# Altium PCB 3 motors 1 board.PcbDoc (continued)
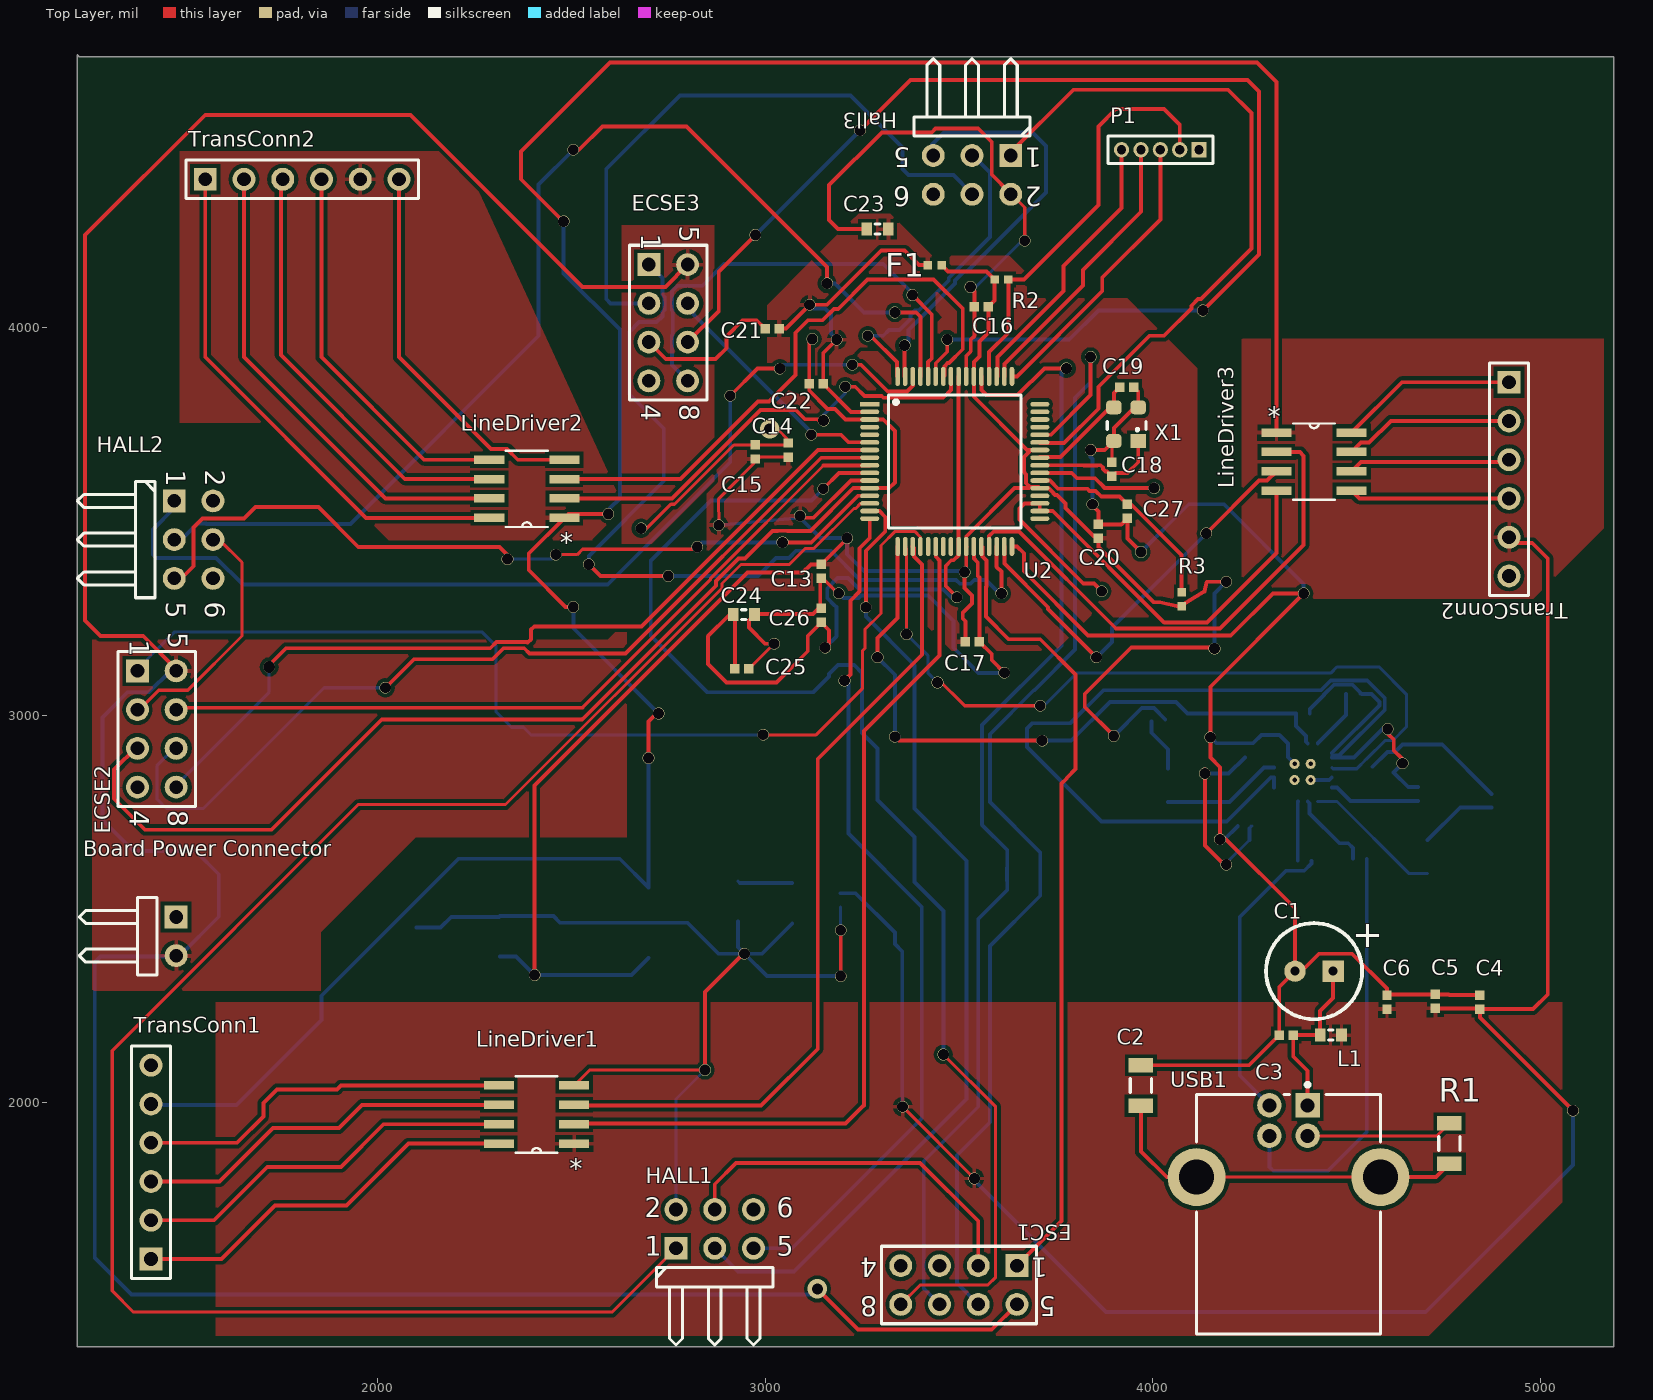
[diagram p0: Top Layer view]
## Part data (continued)
D1 D2: library part "TOPLED 0803", "LED TOPLED 630NM SUP RED CLR SMD", Color=Red, Current - Test=2mA, Luminous Flux @ Current - Test="25 mlm", Manufacturer="OSRAM Opto Semiconductors Inc", Manufacturer Part Number="LS M67K-H2L1-1-Z", Millicandela Rating=8.78mcd, Package / Case="2-SMD, J-Lead", Supplier Part Number 1=475-2510-1-ND, Voltage - Forward (Vf) (Typ)=1.8V, Category=Optoelectronics, ComponentLink1Description=http://media.digikey.com/pdf/Data%20Sheets/Osram%20PDFs/LS,LO,LY_M67K.pdf, ComponentLink1URL=http://media.digikey.com/pdf/Data%20Sheets/Osram%20PDFs/LS,LO,LY_M67K.pdf, Height=1.30mm, Lens Style/Size="Rectangle with Flat Top, 1.5mm x 1mm", Lens Type=Clear, Mounting Type="Surface Mount", Packaging="Cut Tape (CT)", Pricing 1="1=0.19, 10=0.162, 100=0.1295, 250=0.11328, 500=0.10354 (CAD)", RoHS="RoHS Compliant", Size / Dimension="2.20mm L x 1.40mm W", Stock 1=23262, Supplier 1=Digi-Key, Viewing Angle=120°, Wavelength - Dominant=630nm, Wavelength - Peak=643nm
ECSE2 ECSE3 ESC1: library part "Header 4X2A", "Header, 4-Pin, Dual row", LatestRevisionDate=17-Jul-2002, LatestRevisionNote="Re-released for DXP Platform.", Publisher="Altium Limited"
F1: library part 40O_550mA_0402, "FERRITE CHIP 40 OHM 550MA 0402", DC Resistance (DCR)="120 mOhm Max", Impedance @ Frequency="40 Ohm @ 100MHz", Manufacturer="TDK Corporation", Manufacturer Part Number=MMZ1005Y400CT000, Package / Case="0402 (1005 Metric)", Supplier Part Number 1=445-2150-1-ND, Category=Filters, ComponentLink1Description=http://product.tdk.com/emc/beads/en/documents/beads_commercial_signal_mmz_en.pdf, ComponentLink1URL=http://product.tdk.com/emc/beads/en/documents/beads_commercial_signal_mmz_en.pdf, Current Rating=550mA, Filter Type="Differential Mode - Single", Height (Max)="0.022\" (0.55mm)", Mounting Type="Surface Mount", Packaging="Cut Tape (CT)", Pricing 1="1=0.14, 10=0.099, 100=0.059, 250=0.04284, 500=0.03928, 1000=0.03393, 5000=0.02679 (CAD)", RoHS="RoHS Compliant", Size / Dimension="0.039\" L x 0.020\" W (1.00mm x 0.50mm)", Stock 1=1706, Supplier 1=Digi-Key
HALL1 HALL2 Hall3: library part "Header 3X2H", "Header, 3-Pin, Dual row, Right Angle", LatestRevisionDate=17-Jul-2002, LatestRevisionNote="Re-released for DXP Platform.", Publisher="Altium Limited"
L1: library part "Ferrite_200 ohms_2A", "FILTER CHIP 220 OHM 2A 0603", Current Rating=2A, DC Resistance (DCR)="50 mOhm Max", Impedance @ Frequency="220 Ohm @ 100MHz", Manufacturer="Murata Electronics North America", Manufacturer Part Number=BLM18EG221SN1D, Package / Case="0603 (1608 Metric)", Supplier Part Number 1=490-3992-1-ND, Category=Filters, ComponentLink1Description=http://search.murata.co.jp/Ceramy/image/img/PDF/ENG/L0110S0101BLM18E.pdf, ComponentLink1URL=http://search.murata.co.jp/Ceramy/image/img/PDF/ENG/L0110S0101BLM18E.pdf, Filter Type="Differential Mode - Single", Height (Max)="0.037\" (0.95mm)", Mounting Type="Surface Mount", Packaging="Cut Tape (CT)", Pricing 1="1=0.33, 10=0.254, 50=0.1814, 100=0.1632, 250=0.13784, 500=0.12332, 1000=0.10519 (CAD)", RoHS="RoHS Compliant", Size / Dimension="0.063\" L x 0.031\" W (1.60mm x 0.80mm)", Stock 1=382631, Supplier 1=Digi-Key
LineDriver1 LineDriver2 LineDriver3: "Low-Power Differential Line Driver And Receiver Pair", Manufacturer="Texas Instruments", PACKAGE_DESIGNATOR=D, Copyright="Copyright (C) 2018 Accelerated Designs. All rights reserved", Datasheet_URL=http://www.ti.com/lit/gpn/SN75LBC179, FAMILY_NAME=RS-485, GENERIC_PART_NUMBER=SN75LBC179, INDUSTRY_STD_PKG_TYPE=SOIC, Manufacturer_Part_Number=SN75LBC179D, PIN_COUNT=8, RefDes=RefDes, Type=DEV, Vendor="Texas Instruments"
P1: "Header, 5-Pin", LatestRevisionDate=17-Jul-2002, LatestRevisionNote="Re-released for DXP Platform.", Publisher="Altium Limited"
R1: library part 1M_5%_1206, "RES SMD 1M OHM 5% 1/4W 1206", Manufacturer="Panasonic Electronic Components", Manufacturer Part Number=ERJ-8GEYJ105V, Operating Temperature="-55°C ~ 155°C", Package / Case="1206 (3216 Metric)", Power (Watts)="0.25W, 1/4W", Supplier Device Package=1206, Supplier Part Number 1=P1.0MECT-ND, Temperature Coefficient=±200ppm/°C, Tolerance=±5%, Category=Resistors, ComponentLink1Description=http://industrial.panasonic.com/www-cgi/jvcr13pz.cgi?E+PZ+3+AOA0001+ERJ8GEYJ105V+7+WW, ComponentLink1URL=http://industrial.panasonic.com/www-cgi/jvcr13pz.cgi?E+PZ+3+AOA0001+ERJ8GEYJ105V+7+WW, Composition="Thick Film", Features="Automotive AEC-Q200", Height="0.028\" (0.70mm)", Number of Terminations=2, Packaging="Cut Tape (CT)", Pricing 1="1=0.14, 50=0.038, 100=0.029, 250=0.02152, 500=0.01588, 1000=0.01059, 2500=0.00894 (CAD)", Resistance (Ohms)=1M, RoHS="RoHS Compliant", Size / Dimension="0.126\" L x 0.063\" W (3.20mm x 1.60mm)", Stock 1=165352, Supplier 1=Digi-Key
R2 R3 R4 R5 R6 R7: library part 10k_1%_0402, "RES SMD 10K OHM 1% 1/10W 0402", Manufacturer="Panasonic Electronic Components", Manufacturer Part Number=ERJ-2RKF1002X, Operating Temperature="-55°C ~ 155°C", Package / Case="0402 (1005 Metric)", Power (Watts)="0.1W, 1/10W", Supplier Device Package=0402, Supplier Part Number 1=P10.0KLCT-ND, Temperature Coefficient=±100ppm/°C, Tolerance=±1%, Category=Resistors, ComponentLink1Description=http://industrial.panasonic.com/www-cgi/jvcr13pz.cgi?E+PZ+3+AOA0002+ERJ2RKF1002X+7+WW, ComponentLink1URL=http://industrial.panasonic.com/www-cgi/jvcr13pz.cgi?E+PZ+3+AOA0002+ERJ2RKF1002X+7+WW, Composition="Thick Film", Features="Automotive AEC-Q200", Height="0.016\" (0.40mm)", Number of Terminations=2, Packaging="Cut Tape (CT)", Pricing 1="1=0.14, 50=0.0282, 100=0.0215, 250=0.01592, 500=0.01176, 1000=0.00784, 5000=0.00551 (CAD)", Resistance (Ohms)=10k, RoHS="RoHS Compliant", Size / Dimension="0.039\" L x 0.020\" W (1.00mm x 0.50mm)", Stock 1=5818216, Supplier 1=Digi-Key
R8 R9: library part 27_1%_0402, "RES SMD 27 OHM 1% 1/10W 0402", Manufacturer="Panasonic Electronic Components", Manufacturer Part Number=ERJ-2RKF27R0X, Operating Temperature="-55°C ~ 155°C", Package / Case="0402 (1005 Metric)", Power (Watts)="0.1W, 1/10W", Supplier Device Package=0402, Supplier Part Number 1=P27.0LCT-ND, Temperature Coefficient=±100ppm/°C, Tolerance=±1%, Category=Resistors, ComponentLink1Description=http://industrial.panasonic.com/www-cgi/jvcr13pz.cgi?E+PZ+3+AOA0002+ERJ2RKF27R0X+7+WW, ComponentLink1URL=http://industrial.panasonic.com/www-cgi/jvcr13pz.cgi?E+PZ+3+AOA0002+ERJ2RKF27R0X+7+WW, Composition="Thick Film", Features="Automotive AEC-Q200", Height="0.016\" (0.40mm)", Number of Terminations=2, Packaging="Cut Tape (CT)", Pricing 1="1=0.16, 50=0.0234, 100=0.0171, 250=0.01308, 500=0.01048, 1000=0.00771, 5000=0.00553 (CAD)", Resistance (Ohms)=27, RoHS="RoHS Compliant", Size / Dimension="0.039\" L x 0.020\" W (1.00mm x 0.50mm)", Stock 1=490131, Supplier 1=Digi-Key
R13 R14: library part 120_1%_0402, "RES SMD 120 OHM 1% 1/10W 0402", Manufacturer="Panasonic Electronic Components", Manufacturer Part Number=ERJ-2RKF1200X, Operating Temperature="-55°C ~ 155°C", Package / Case="0402 (1005 Metric)", Power (Watts)="0.1W, 1/10W", Supplier Device Package=0402, Supplier Part Number 1=P120LCT-ND, Temperature Coefficient=±100ppm/°C, Tolerance=±1%, Category=Resistors, ComponentLink1Description=http://industrial.panasonic.com/www-cgi/jvcr13pz.cgi?E+PZ+3+AOA0002+ERJ2RKF1200X+7+WW, ComponentLink1URL=http://industrial.panasonic.com/www-cgi/jvcr13pz.cgi?E+PZ+3+AOA0002+ERJ2RKF1200X+7+WW, Composition="Thick Film", Features="Automotive AEC-Q200", Height="0.016\" (0.40mm)", Number of Terminations=2, Packaging="Cut Tape (CT)", Pricing 1="1=0.14, 50=0.0282, 100=0.0215, 250=0.01592, 500=0.01176, 1000=0.00784, 5000=0.00551 (CAD)", Resistance (Ohms)=120, RoHS="RoHS Compliant", Size / Dimension="0.039\" L x 0.020\" W (1.00mm x 0.50mm)", Stock 1=184236, Supplier 1=Digi-Key
TransConn1 TransConn2 TransConn2: "Header, 6-Pin", LatestRevisionDate=17-Jul-2002, LatestRevisionNote="Re-released for DXP Platform.", Publisher="Altium Limited"
U1: "500 mA, Low Voltage, Low Quiescent Current LDO Regulator", Current - Limit (Min)=-, Current - Output=500mA, Manufacturer="Microchip Technology", Operating Temperature="-40°C ~ 125°C", Package / Case="TO-261-4, TO-261AA", Supplier Device Package=SOT-223-3, Supplier Part Number 1=MCP1825S-3302E/DB-ND, Voltage - Dropout (Typical)="0.21V @ 500mA", Voltage - Input="Up to 6V", Voltage - Output=3.3V, Category="Integrated Circuits (ICs)", ComponentLink1Description=http://www.microchip.com/mymicrochip/filehandler.aspx?ddocname=en531698, ComponentLink1URL=http://www.microchip.com/mymicrochip/filehandler.aspx?ddocname=en531698, Manufacturer Part Number=MCP1825S-3302E/DB, Mounting Type="Surface Mount", Number of Regulators=1, Packaging=Tube, Pricing 1="1=0.61, 10=0.51, 25=0.43, 100=0.39 (USD)", Regulator Topology="Positive Fixed", RoHS="RoHS Compliant", Stock 1=5172, Supplier 1=Digi-Key
U2: "Tiva TM4C123GH6PM Microcontroller ARM Cortex 80 MHz FPU", Supplier Part Number 1=296-35848-ND, Supplier 1=Digi-Key
U3: library part FT230XQ-R, "IC USB SERIAL BASIC UART 16QFN", Current - Supply=8mA, Manufacturer="FTDI, Future Technology Devices International Ltd", Operating Temperature="-40°C ~ 85°C", Package / Case="16-WQFN Exposed Pad", Supplier Device Package="16-QFN (4x4)", Supplier Part Number 1=768-1130-1-ND, Voltage - Supply="3.3 V ~ 5 V", Category="Integrated Circuits (ICs)", ComponentLink1Description=http://www.ftdichip.com/Support/Documents/DataSheets/ICs/DS_FT230X.pdf, ComponentLink1URL=http://www.ftdichip.com/Support/Documents/DataSheets/ICs/DS_FT230X.pdf, Function="Bridge, USB to UART", Interface=UART, Manufacturer Part Number=FT230XQ-R, Packaging="Cut Tape (CT)", Pricing 1="1=2.64, 25=2.5508, 100=2.4601, 250=2.21412, 500=1.994, 1000=1.89042, 2500=1.86128 (CAD)", Protocol=USB, RoHS="RoHS Compliant", Standards="USB 2.0", Stock 1=7567, Supplier 1=Digi-Key
USB1: library part "MOLEX 0670688010", Supplier Part Number 1=WM4064-ND, Supplier 1=Digi-Key
X1: library part 403C35E16M00000, "CRYSTAL 16MHZ 20PF SMD", ESR (Equivalent Series Resistance)="80 Ohm", Frequency=16MHz, Frequency Stability=±50ppm, Frequency Tolerance=±30ppm, Load Capacitance=20pF, Manufacturer="CTS-Frequency Controls", Operating Mode=Fundamental, Operating Temperature="-20°C ~ 70°C", Package / Case="4-SMD, No Lead (DFN, LCC)", Ratings=-, Supplier Part Number 1=CTX1293CT-ND, Category="Crystals and Oscillators", ComponentLink1Description=http://www.ctscorp.com/components/Datasheets/008-0288-0_F.pdf, ComponentLink1URL=http://www.ctscorp.com/components/Datasheets/008-0288-0_F.pdf, Height="0.031\" (0.80mm)", Manufacturer Part Number=403C35E16M00000, Mounting Type="Surface Mount", Packaging="Cut Tape (CT)", Pricing 1="1=1.07, 10=0.95, 50=0.8866, 100=0.7847, 500=0.7415, 750=0.70228, 1000=0.61988 (CAD)", RoHS="RoHS Compliant", Size / Dimension="0.126\" L x 0.098\" W (3.20mm x 2.50mm)", Stock 1=7029, Supplier 1=Digi-Key, Type="MHz Crystal"

## Via types
v1: diameter 30, hole 28, Top Layer to Bottom Layer, 82 vias
v2: diameter 50, hole 28, Top Layer to Bottom Layer, 2 vias
v3: diameter 30, hole 30, Top Layer to Bottom Layer, 1 vias

## Nets (pads, with @x,y where several pads share a name; then routed paths per layer and width w, separated by ;. In a path a pad name is that pad's centre, name@x,y a point inside that pad or via, vN(x,y) a via of type N, cw(c..) or ccw(c..) an arc to the next point about the centre after c; other vN are vias at no path point)
5VHS1: ESC1.2 HALL1.4 | length 944.9
  Top Layer w10: HALL1.4 2870,1790 2925,1845 3400,1845 3550,1695 ESC1.2
5VHS2: ECSE2.2 HALL2.4 | length 642.7
  Top Layer w8: ECSE2.2@1380,3020 1390,3020 1435,3065 1510,3065 1650,3205 1650,3395 1592.5,3452.5 HALL2.4@1575,3435
5VHS3: ECSE3.2 Hall3.4 | length 1605.1
  Bottom Layer w10: ECSE3.2 2601.44,4063.56 2590,4075 2590,4410 2780,4600 3220,4600 3354.51,4465.49 3354.51,4410.49 3370,4395 3485.87,4395 Hall3.4@3530.87,4350
+3.3V: C10.1 C11.1 C12.1 C13.2 C14.2 C15.2 C16.2 C17.2 C20.2 C28.2 C29.2 F1.1 R2.1 R3.1 R4.2 R5.2 R6.2 R7.2 R13.2 R14.2 U1.3 U2.11 U2.26 U2.37 U2.42 U2.54 U3.1 U3.8 U3.9 U3.10 | length 9866.2
  Top Layer w8: v1(2880.5,3490.98) 2880,3559.05 2987.84,3666.89 C14.2 ; v1@3090,3510.15 v1(3090,3515) ; 3510,3265.72 3510.28,3266 3511.15,3266 ; U2.26@3519.02,3434.69 U2.26 U2.26@3519.68,3435.36 ; U2.42@3686.84,3685.04 U2.42 ; R3.1@4067.39,3280.89 4073.52,3284.68 R3.1@4075.46,3284.22 ; v1(4135,2850) v1@4135,2861.33 ; v1@4183.88,2615 v1(4190,2615) ; v1(4645,2876.44) v1@4645,2887.31
  Top Layer w10: v1(2405,2330) 2405,2818.91 2954.7,3368.61 3096.68,3368.61 3118.07,3390 C13.2 v1@3212.21,3457.21 ; v1@3090,3510.15 3125.11,3510.15 3221.26,3606.3 U2.11 ; F1.1 3471.58,4146.21 3571.07,4146.21 R2.1 3592.28,4070.79 C16.2 3576.5,3988.35 3553.11,3964.97 3553.11,3926.26 3538.7,3911.85 U2.54 3538.7,3822.61 3676.27,3685.04 3686.84,3685.04 3684.06,3682.26 3683.27,3682.26 3667.72,3666.7 3667.72,3627.87 3673.37,3622.22 3673.37,3599.3 3683.27,3589.39 3706.2,3589.39 U2.37 3731.9,3586.61 3744.58,3573.93 3744.58,3572.79 3748.37,3569 3752.96,3569 3775,3546.96 3775,3535 C20.2@3855,3455 ; 3510,3265.72 3510,3250 3516.89,3243.11 C17.2 ; 3511.15,3266 3534,3288.85 3534,3309.81 3515,3328.81 v1(3515,3370) v1@3516.24,3371.24 ; v1@3519.02,3371.24 3519.02,3434.69 U2.26@3519.68,3435.36 ; U2.26 3519.02,3461.57 3644.06,3586.61 3681.54,3586.61 ; C20.2 3860,3435 4002.72,3292.28 4019.2,3292.28 R3.1@4067.39,3280.89 ; v1(3900,2946.82) 3825,3021.82 3825,3055 3945,3175 v1@4146.21,3175 ; R3.1@4075.46,3284.22 4133.96,3320.34 4139.79,3345 v1(4190,3345) ; v1(4135,2850) 4135,2663.88 v1@4183.88,2615 ; v1@4607.5,2952.5 4622.5,2937.5 4622.5,2909.81 v1@4645,2887.31
  Bottom Layer w8: v1@3090,3510.2 v1(3090,3515) ; v1@3512.37,3365.04 3515,3367.67 v1(3515,3370) ; v1@4188.14,2616.86 4250,2678.71 ; C28.2@4250,2708.78 C28.2 ; 4442.76,3053.11 4442.76,3054.17 ; 4462.59,2902.59 U3.1 4469.26,2897.72 4482.62,2897.72 ; R6.2 R6.2@4540,3055 ; v1@4593.84,2965 v1(4606.89,2965)
  Bottom Layer w10: C10.1 2357.17,2377.83 v1(2405,2330) 2654.72,2330 U1.3 ; v1(2880.5,3490.98) v1@3090,3510.15 ; v1@3090,3510.2 3142.57,3457.63 v1(3211.79,3457.63) 3211.79,3416.02 3255.46,3372.35 3499.88,3372.35 3507.19,3365.04 v1@3512.37,3365.04 ; v1(3900,2946.82) 3972.18,3019 4003.72,3019 R13.2@4032.72,2990 ; v1(4135,2850) 4196.22,2850 C29.2 ; v1(4160,3172.6) 4160,3315 v1(4190,3345) ; 4250,2678.71 C28.2@4250,2708.78 ; U3.9 U3.10 4304.91,2839.87 4191.59,2726.56 3868.29,2726.56 3676,2918.85 3676,2966 3690,2980 3788.45,2980 3873.45,3065 4435,3065 4460,3090 4554.17,3090 4599.37,3044.8 4599.37,3014.47 4482.62,2897.72 ; R4.2 4405.83,3016.18 4442.76,3053.11 ; 4442.76,3054.17 4467.86,3079.27 4515.73,3079.27 4540,3055 4565.18,3055 4585.83,3034.36 4585.83,3025.83 4462.59,2902.59 ; U3.1 4519.89,2891.05 v1@4593.84,2965 ; R5.2 4605.99,2905.92 4625.72,2905.92 4644.8,2925 4747.72,2925 R14.2 ; v1(4645,2876.44) 4621.68,2853.13 4659.81,2815 R7.2
+5V: C4.2 C5.2 C6.2 C7.1 C8.1 C9.2 L1.2 LineDriver1.1 LineDriver2.1 LineDriver3.1 TransConn1.5 TransConn2.5 U1.1 | length 11833.7
  Top Layer w8: v1(3355,1990) v1(3540,1805) ; C4.2@4843.11,2243.78 C4.2 C4.2@4845,2246.89
  Top Layer w10: v1@2469.95,4283.85 2370,4383.8 2370,4455.81 2599.19,4685 4270,4685 4319.71,4635.29 LineDriver3.1 ; v1(2505,3280) 2485,3280 2390,3375 2390,3418 LineDriver2.1 2492,3520 v1(2595,3520) ; v1(2699.17,2890) 2699.17,2984.17 v1@2715,3000 ; C5.2 C4.2@4843.11,2243.78 ; TransConn2.5@4920,3460 4935,3445 4980,3445 5020,3405 5020,3375 5020,2280 4981.89,2241.89 C4.2 4845,2220 v1(5085,1980)
  Bottom Layer w8: v1(2595,3520) 2600,3525 2600,3535 ; C7.1 C7.1@2935,2567.17
  Bottom Layer w10: TransConn1.5@1405,1995 1636.09,1995 1855,2213.91 1855,2276.44 2208.56,2630 2624.72,2630 U1.1 v1(2699.17,2890) ; v1(2480,4275) 2480,4140.81 2625,3995.81 2625,3560 2600,3535 ; v1(2505,3280) 2505,3225.04 v1(2725.04,3005) ; C7.1@2935,2567.17 C8.1 ; C9.2 3233.78,2541.22 3335,2440 3335,2410.15 3354,2391.15 3354,2005 ; v1@3537.5,1802.5 3880,1460 4705,1460 5085,1840 v1(5085,1980)
+24V: "Board Power Connector.2" ECSE2.5 ECSE3.5 ESC1.5 | length 7772.1
  Top Layer w8: v2(3135,1520) v2@3140,1515
  Top Layer w10: ECSE2.5@1480,3120 1395,3205 1285,3205 1245,3245 1245,4240 1555,4550 2084.53,4550 2528.31,4106.22 2742.66,4106.22 ECSE3.5 ; v2@3140,1515 3240,1415 3585,1415 ESC1.5
  Bottom Layer w8: ECSE2.5@1465,3115 ECSE2.5 ; 1480,2380 1489.71,2380
  Bottom Layer w10: ECSE2.5@1465,3115 1410,3060 1355,3060 1290,2995 1290,2730 1370,2650 1530,2650 1590,2590 1590,2480.29 1489.71,2380 ; 1480,2377.83 1284.32,2377.83 1270,2363.51 1270,1600 1365,1505 3120,1505 v2(3135,1520)
+A3.3V: C21.2 C22.2 C23.2 F1.2 U2.2 | length 893.9
  Top Layer w8: v1@3115,4059.46 v1(3115,4060) ; C23.2 C23.2@3327.35,4255
  Top Layer w10: C21.2 3054.14,3998.6 v1@3115,4059.46 ; v1(3115,4060) 3160.15,4060 3299.68,4199.53 3360.34,4199.53 3397.52,4162.35 F1.2 ; v1(3185,3970) 3150,3935 C22.2 3222.11,3783.46 U2.2
  Bottom Layer w10: v1@3125,4050 3155,4050 3170,4035 3170,3985 v1(3185,3970)
CF1M1: ESC1.6 U2.44 | length 2990.9
  Top Layer w10: U2.44 3737.56,3724.41 3840,3826.85 v1(3840,3925)
  Bottom Layer w10: ESC1.6 3495,1535 3495,1865 3580,1950 3580,2404.71 3710,2534.71 3710,2646.13 3580,2776.13 3580,2951.57 3693.43,3065 3695,3065 3800,3170 3800,3820 3840,3860 v1(3840,3925)
CF1M2: ECSE2.6 U2.9 | length 2050.4
  Top Layer w8: 2528.43,3020 2858.66,3350.23 2858.66,3352.8 3150.86,3645
  Top Layer w10: ECSE2.6@1480,3020 2528.43,3020 ; 3150.86,3645 U2.9@3270,3645
CF1M3: ECSE3.6 U2.6 | length 628.3
  Top Layer w10: v1(3119.21,3724.41) 3195.4,3724.41 3214.73,3705.09 U2.6@3270,3705.09
  Bottom Layer w10: ECSE3.6 2815.25,4048.32 2815.25,4034.75 v1@3122.4,3727.6
CF2M1: ESC1.7 U2.53 | length 2911.4
  Top Layer w10: U2.53 3558.39,3840.04 3571.57,3826.85 3651.85,3826.85 3720.86,3895.86 v1(3777.65,3895.86)
  Bottom Layer w10: ESC1.7 3409.47,1520.53 3409.47,1849.47 3550,1990 3550,2474.71 3625,2549.71 3625,2572.98 3624.77,2573.21 3624.77,2606.79 3625,2607.02 3625,2652.72 3560,2717.72 3560,2975 3765,3180 3765,3885
CF2M2: ECSE2.7 U2.8 | length 2392.1
  Top Layer w10: v1(2019.87,3071.34) 2093.53,3145 2296.81,3145 2325.28,3173.47 2378.41,3173.47 2391.89,3160 2640,3160 3145,3665 U2.8@3270,3665
  Bottom Layer w8: ECSE2.7@1480,2920 1430,2870 1430,2785 1455,2760 1550,2760 1861.34,3071.34 v1(2019.87,3071.34)
CF2M3: ECSE3.7 U2.59 | length 3240.5
  Top Layer w10: ECSE3.7 2880.5,4044.07 2880.5,4145.5 v1(2975,4240) ; v1(3245,4510) 3375,4640 4245,4640 4275,4610 4275,4190 v1(4130,4045) ; U2.59 3440.28,3908.91 3470,3938.63 v1(3470,3970)
  Bottom Layer w10: v1(2975,4240) v1(3245,4510) ; v1@3480,3970 3785,3970 3860,4045 v1(4130,4045)
CF3M1: ESC1.8 U2.10 | length 3476.7
  Top Layer w8: ESC1.8 3400,1530 3575,1530 3595,1550 3595,1990 v1(3460,2125)
  Top Layer w10: v1(3150,3585) 3190.98,3625.98 U2.10
  Bottom Layer w10: v1(3150,3585) 3120,3555 2860,3555 2705,3400 2705,3205 2850,3060 3125,3060 3165,3100 3165,3106.57 3188.43,3130 3230,3130 3250,3110 3250,2955 3290,2915 3290,2782.2 3385.47,2686.73 3385.47,2569.82 3460,2495.29 v1(3460,2125)
CF3M2: ECSE2.8 U2.7 | length 2203.8
  Top Layer w10: v3@1717.5,3127.5 1763.47,3173.47 2290.49,3173.47 2306.49,3189.47 2385.04,3189.47 2386.78,3187.73 2395.53,3196.48 2395.53,3221.34 2404.18,3230 2681.37,3230 3136.37,3685 3175,3685 ; 3175.04,3685.04 U2.7
  Bottom Layer w8: ECSE2.8@1480,2820 1720,3060 v3(1720,3125)
CF3M3: ECSE3.8 U2.60 | length 1150.9
  Top Layer w10: v1(3380,4085) 3430,4035 3430,3921.26 3420.59,3911.85 U2.60
  Bottom Layer w10: ECSE3.8 2759.47,3904.09 2759.47,3980.35 2761.49,3982.37 2761.49,4044.76 2759.47,4046.77 2759.47,4094.96 2773.58,4109.07 2838.27,4109.07 2894.2,4165 3305,4165 3370,4100
CLK1_A: LineDriver1.6 TransConn1.3 | length 979.9
  Top Layer w10: TransConn1.3 1592.17,1797.17 1730,1935 1900,1935 1960,1995 LineDriver1.6
CLK1_B: LineDriver2.6 TransConn2.3@1755,4383.8 | length 1128.4
  Top Layer w10: TransConn2.3@1760,4383.8 1750.07,4373.87 1750.07,3929.93 2070,3610 LineDriver2.6
CLK1_C: LineDriver3.6 TransConn2.3@4920,3660 | length 422.2
  Top Layer w10: LineDriver3.6 4537.71,3654 4920,3654 TransConn2.3@4920,3660
CLK2_A: LineDriver1.5 TransConn1.4 | length 979.7
  Top Layer w10: TransConn1.4 1637.17,1897.17 1705,1965 1705,2000 1740,2035 1895,2035 1905,2045 LineDriver1.5
CLK2_B: LineDriver2.5 TransConn2.4@1855,4383.8 | length 1001.6
  Top Layer w10: TransConn2.4@1855,4383.8 1855,3925 2120,3660 LineDriver2.5
CLK2_C: LineDriver3.5 TransConn2.4@4920,3560 | length 414.6
  Top Layer w10: LineDriver3.5 4533.71,3560 TransConn2.4@4920,3560
CLK_A: LineDriver1.3 U2.19 | length 2111.1
  Top Layer w10: LineDriver1.3@2507,2000 2514.17,1992.83 2989.46,1992.83 3135.81,2139.19 3135.81,2887.53 3405,3156.72 3405,3389.32 3384,3410.32 3384,3432.02 U2.19@3380,3436.02
CLK_B: LineDriver2.3 U2.58 | length 1534.5
  Top Layer w10: LineDriver2.3 2781.72,3610 2981.72,3810 3009.84,3810 3078.27,3878.43 3078.27,3987.73 3110.54,4020 3148.1,4020 3177.42,4049.32 3188.64,4049.32 3264.32,4125 3435,4125 3510,4050 3510,3945 3475,3910 3470.98,3910 3470.98,3908.95 3462.74,3900.7 3462.74,3877.78 U2.58
CLK_C: LineDriver3.3 U2.31 | length 1076.4
  Top Layer w10: U2.31 3617.44,3391.89 3730,3279.33 3730,3275 v1(3855,3150) ; v1(4138.5,3470) 4274.5,3606 4295.71,3606 LineDriver3.3
  Bottom Layer w8: v1@3850,3145 v1(3855,3150)
  Bottom Layer w10: v1(3855,3150) 3895,3190 3895,3226.5 v1(4138.5,3470)
DATA1_A: LineDriver1.8 TransConn1.1 | length 1021.4
  Top Layer w10: TransConn1.1 1597.17,1597.17 1735,1735 1920,1735 2080,1895 LineDriver1.8
DATA1_B: LineDriver2.8 TransConn2.1@1555,4383.8 | length 1363.7
  Top Layer w10: TransConn2.1@1555,4383.8 1555,3925 1970,3510 LineDriver2.8
DATA1_C: LineDriver3.8 TransConn2.1@4920,3860 | length 460.1
  Top Layer w10: LineDriver3.8 4643.71,3860 TransConn2.1@4920,3860
DATA2_A: LineDriver1.7 TransConn1.2 | length 1000.7
  Top Layer w10: TransConn1.2 1577.17,1697.17 1715,1835 1905,1835 2015,1945 LineDriver1.7
DATA2_B: LineDriver2.7 TransConn2.2@1655,4383.8 | length 1263.3
  Top Layer w10: TransConn2.2@1645,4400 1655,4390 1655,4383.8 1655,3925 2020,3560 LineDriver2.7
DATA2_C: LineDriver3.7 TransConn2.2@4920,3760 | length 439.4
  Top Layer w10: LineDriver3.7 4537.71,3704 4558.92,3704 4614.92,3760 TransConn2.2@4920,3760
DATA_A: LineDriver1.2 U2.22 | length 2294.4
  Top Layer w10: LineDriver1.2@2507,1947.17 3207.83,1947.17 3254.41,1993.74 3255,1993.74 3255,2960 3450,3155 3450,3400 3440.28,3409.72 U2.22
DATA_B: LineDriver2.2 U2.57 | length 1218.3
  Top Layer w10: LineDriver2.2 2760,3560 2987.9,3787.9 3079.15,3787.9 3102.64,3764.41 3135.78,3764.41 3139.12,3761.07 v1(3151.07,3761.07) v1@3155,3765 ; v1(3206.79,3848.27) 3232.77,3848.27 3256.98,3824.06 3300.82,3824.06 3304.84,3820.04 3450.04,3820.04 3450,3820 3459.65,3820 3479.65,3840 U2.57
  Bottom Layer w8: v1(3151.07,3761.07) 3151.07,3776.07 3206.79,3831.79 v1(3206.79,3848.27)
DATA_C: LineDriver3.2 U2.29 | length 1341.8
  Top Layer w10: U2.29 3578.07,3463.07 3590,3475 3655,3475 3905,3225 3906,3224 4174,3224 4390,3440 4390,3670.04 4380.04,3680 LineDriver3.2
DM: R8.1 USB1.2 | length 767.4
  Bottom Layer w10: USB1.2 4225,2070.32 4225,2480 4344.17,2599.17 4391.61,2599.17 4410,2617.57 R8.1
DP: R9.1 USB1.3 | length 1081.6
  Bottom Layer w10: USB1.3 4301.57,1835 4311.57,1825 4452.59,1825 4552.72,1925.12 R9.1
GND: "Board Power Connector.1" C1.2 C2.1 C3.1 C4.1 C5.1 C6.1 C7.2 C8.2 C9.1 C10.2 C11.2 C12.2 C13.1 C14.1 C15.1 C16.1 C17.1 C18.1 C19.1 C20.1 C21.1 C22.1 C23.1 C24.1 C25.1 C26.1 C27.1 C28.1 C29.1 ECSE2.3 ECSE3.3 ESC1.3 HALL1.2 HALL2.2 Hall3.2 LineDriver1.4 LineDriver2.4 LineDriver3.4 P1.1 R1.1 TransConn1.6 TransConn2.6 U1.2 U1.4 U2.3 U2.12 U2.27 U2.32 U2.34 U2.35 U2.39 U2.55 U3.3 U3.13 U3.17 USB1.4 X1.2 X1.4 | length 17486.5
  Top Layer w8: LineDriver1.4 2547,2085 v1(2845,2085) ; v1(2680,3482.88) 2694.53,3482.88 2756.65,3545 2766.21,3545 2919.32,3698.11 C15.1 3055,3698.11 C14.1 3060,3711.03 3031.87,3739.16 v2(3011.56,3739.16) ; C25.1 v1(3023.11,3185) ; C24.1 C24.1@2972.56,3262.2 ; v1@3113.78,3963.83 v1(3121.63,3971.69) ; C13.1@3142.28,3350.12 C13.1@3152.76,3350.12 ; v1@3187.38,3315.5 v1(3190.25,3315.5) ; v1(3195.25,2327.06) v1(3195.25,2445.46) ; v1(3530,4105.86) 3530,4104.21 3540.28,4093.93 ; C16.1@3540,4054.72 C16.1 ; Hall3.2@3630.87,4350 3670,4310.87 v1(3670,4225) ; U2.34 U2.34@3709.95,3526.59 ; C18.1 3895,3703.39 X1.4 ; v1(4174.03,2680) 4190,2680 ; USB1.4 4734.06,1915 R1.1 ; C6.1 C6.1@4606.89,2280
  Top Layer w10: ECSE2.3@1380,2920 1320,2860 1320,2785 1400,2705 1726.03,2705 2010.51,2989.47 2526.98,2989.47 2528.34,2990.84 ; TransConn2.6@2055,4383.8 2055,3925 2292.31,3687.69 2333.99,3687.69 2361.68,3660 LineDriver2.4 ; 2529.05,2990.13 2873.66,3334.74 2873.66,3346.59 2931.76,3404.69 2947.88,3404.69 3019.19,3476 3031.92,3476 3032.57,3476.65 3057.43,3476.65 3058.08,3476 3116.81,3476 3227.43,3586.61 U2.12 3320.27,3586.61 3335,3601.34 3335,3733.7 3304.92,3763.78 U2.3 3207.23,3763.78 3179.94,3791.07 3160.91,3791.07 3113.78,3838.2 C22.1 v1@3113.78,3963.83 ; ECSE3.3 2743.56,3920 2872.2,3920 2900,3947.8 2900,3978.43 2941.57,4020 2978.41,4020 C21.1 ; v1(2845,2085) 2845,2286.34 v1@2941.83,2383.17 ; C24.1 2958.11,3245.55 2958.11,3226.89 3000,3185 v1(3023.11,3185) ; C24.1@2972.56,3262.2 3123.33,3262.2 3142.28,3281.15 C13.1@3142.28,3350.12 ; C13.1@3152.76,3350.12 v1@3187.38,3315.5 ; C23.1 3188.43,4255 3165,4278.43 3165,4368.75 3301.25,4505 3430,4505 3440,4515 3550,4515 3585,4480 3585,4395.87 Hall3.2@3630.87,4350 ; U2.55 3519.02,3927.94 3530.87,3939.79 3530.87,3970.67 3540,3979.8 C16.1@3540,4054.72 ; U2.27 3538.7,3405 3548.68,3395.02 3548.68,3360.34 3553.11,3355.91 C17.1 3584.88,3158.23 3584.88,3142.59 v1(3617.47,3110) ; C16.1 3540.28,4093.93 ; U2.32 3650.53,3436.02 3667.85,3418.71 3667.85,3372.22 3833.55,3206.52 4201.86,3206.52 4310.34,3315 v1(4390,3315) 4149.07,3074.07 v1(4149.07,2943.89) 4149.07,2891.08 4174,2866.15 v1(4174.03,2680) ; U2.39 3791.54,3625.98 3805.42,3612.1 3851.89,3612.1 3873.38,3590.61 ; v1(3840,3685) 3876.61,3685 X1.4@3895,3703.39 ; v1@3849.19,3537.4 3860,3526.59 C20.1 3919.33,3493.11 C27.1 3935,3456.69 v1(3970,3421.69) ; v1(3869.02,3320.5) 3849.14,3340.38 3821.2,3340.38 3656.18,3505.39 3656.18,3533.9 3669.53,3547.24 U2.35 U2.34 3742.44,3527.56 4030,3240 4140.15,3240 4319.71,3419.56 LineDriver3.4 ; 3872.8,3590.03 3876.21,3586.61 v1(4004.1,3586.61) ; X1.4 3900,3741.69 3953.31,3795 X1.2 3962.99,3835.62 C19.1 ; C2.1 4249.06,2097.17 C3.1 4326.89,2299.21 C1.2 ; 4190,2680 4367.68,2502.32 C1.2 ; C6.1 4605,2295 4515,2385 4430,2385 4385,2340 C1.2 ; C6.1@4606.89,2280 C5.1 4764.33,2280 4766.22,2278.11 C4.1
  Bottom Layer w8: C10.2@2312.83,2480 C10.2 ; HALL1.2 2770,2010 v1(2845,2085) ; v1(3190.25,3315.5) 3202.19,3303.55 ; C9.1 3195,2455.25 v1@3195.25,2455 ; v1(3530,4105.86) 3543.89,4105.86 v1@3660,4221.98 ; v1@3835,3690 v1(3840,3685) ; v1(4174.03,2680) v1@4185,2680
  Bottom Layer w10: C12.2 2162.56,2452.56 C11.2 C10.2@2312.83,2480 ; C10.2 2453.66,2482.17 U1.4 U1.2 2800,2465 2880,2385 v1(2946.61,2385) ; C7.2 2930,2401.61 v1(2946.61,2385) ; C8.2 2992.17,2385 v1(2946.61,2385) ; v1(3195.25,2327.06) 3004.55,2327.06 v1(2946.61,2385) ; 3202.19,3303.55 3241.79,3303.55 3247.57,3309.33 3421.19,3309.33 3486.34,3244.19 3486.34,3174.82 3551.15,3110 v1(3617.47,3110) ; v1(3840,3685) 3840,3666.85 3845,3661.85 v1(3845,3545) ; v1(3970,3421.69) 4093.31,3545 4184.6,3545 4390,3339.6 v1(4390,3315) ; v1(4149.07,2943.89) 4164.86,2928.11 C29.1 4259.6,2928.11 4281.25,2949.77 4327.11,2949.77 U3.13 4349.4,2892.21 U3.17@4366.61,2875 ; v1@4185,2680 C28.1 ; U3.17@4408.11,2833.27 4455.99,2833.27 U3.3
H1M1: HALL1.5 U2.16 | length 2229.9
  Top Layer w10: v1(3205,3090) 3220.29,3105.29 3220.29,3262.47 3220,3262.76 3220,3295.9 3244,3319.9 3244,3431.63 3270,3457.63 U2.16@3270,3506.65
  Bottom Layer w10: HALL1.5 3070,1625 3404.39,1959.39 3404.39,2505.61 3215,2695 3215,3080 v1(3205,3090)
H1M2: HALL2.5 U2.13 | length 2064.3
  Top Layer w8: v1(2460,3415) 2514.85,3415 2528.85,3429 2819,3429 v1(2825,3435)
  Top Layer w10: HALL2.5@1475,3335 1525,3385 1525,3484.71 1548.17,3507.87 1654.64,3507.87 1684.66,3537.89 1847.11,3537.89 1950,3435 2314.1,3435 v1@2340.55,3408.55 ; v1(3045,3446.65) 3119.21,3446.65 3239.49,3566.93 U2.13
  Bottom Layer w8: v1(2335,3403.36) 2448.36,3403.36 v1(2460,3415)
  Bottom Layer w10: v1(2825,3435) 2836.65,3446.65 v1(3045,3446.65)
H1M3: Hall3.5 U2.63 | length 1082
  Top Layer w10: U2.63@3360,3875 v1(3360,3955)
  Bottom Layer w10: v1@3370,3965 3370,3994.66 3490,4114.66 3490,4122.43 3513.43,4145.86 3521.2,4145.86 3725,4349.66 3725,4470 3690,4505 3461.98,4505 3430.87,4473.89 Hall3.5@3430.87,4450
H2M1: HALL1.3 U2.15 | length 2536.3
  Top Layer w10: v1(3260,3279.33) 3260,3425 3310,3475 3310,3512.5 3294.94,3527.56 U2.15
  Bottom Layer w10: HALL1.3 2930,1565 3075,1565 3520,2010 3520,2625 3385.47,2759.53 3385.47,3129.53 3260,3255 v1(3260,3279.33)
H2M2: HALL2.3 U2.61 | length 2971.4
  Top Layer w10: v1(2505,4460) 2520,4460 2580,4520 2797.2,4520 3160,4157.2 3160,4130 ; v1(3335,4040) 3390,4040 3400.91,4029.09 U2.61
  Bottom Layer w10: HALL2.3@1475,3435 1535,3495 1557.69,3495 1558.21,3494.47 1929.47,3494.47 2415,3980 2415,4370 v1(2505,4460) ; v1(3160,4115) 3180,4115 3255,4040 v1(3335,4040)
H2M3: Hall3.3 U2.64 | length 805.4
  Top Layer w10: v1(3265,3980) 3271.85,3980 3340,3911.85 U2.64@3340,3875
  Bottom Layer w10: v1(3265,3980) 3305,3980 3320,3995 3346.57,3995 3375,4023.43 3375,4032.75 3387.25,4045 3396.57,4045 3474,4122.43 3474,4129.06 3580,4235.06 3580,4400.87 Hall3.3@3530.87,4450
H3M1: HALL1.1 U2.14 | length 4713
  Top Layer w8: HALL1.1 2605,1460 1370,1460 1315,1515 1315,2135 1950,2770 2330.13,2770 2888.66,3328.53 2888.66,3340.38 2937.97,3389.69 3062.24,3389.69 3103.21,3430.65 3125.84,3430.65 3229.35,3534.17 3233.85,3534.17 3246.93,3547.24 U2.14
H3M2: HALL2.1 U2.62 | length 2529.7
  Top Layer w10: v1(2910,3825) 2980,3895 v1(3038.27,3895) ; v1(3225,3905) 3247.44,3905 3316.4,3836.04 3366.19,3836.04 3381.22,3851.07 U2.62
  Bottom Layer w10: HALL2.1@1475,3535 1420,3480 1420,3415 1428.19,3406.81 1583.19,3406.81 1652.11,3337.89 2593.79,3337.89 2910,3654.1 v1(2910,3825) ; v1(3038.27,3895) 3048.27,3905 v1(3225,3905)
H3M3: Hall3.1 U2.43 | length 1858.7
  Top Layer w10: Hall3.1@3630.87,4450 3795.87,4615 4194.71,4615 4255,4554.71 4255,4205 4125,4075 4117.57,4075 4100,4057.43 4100,4050 4030,3980 3991.73,3980 3860,3848.27 3860,3791.5 3771.61,3703.11 U2.43@3708.98,3703.11
NetD1_1: D1.1 R13.1 | length 139.4
  Bottom Layer w10: R13.1 3997.28,2955.43 4040,2912.72 D1.1
NetD2_1: D2.1 R14.1 | length 199.8
  Bottom Layer w10: D2.1 4793.98,2762.28 R14.1
NetR6_1: R6.1 U3.16 | length 157.9
  Bottom Layer w10: U3.16 4499.57,3000.86 R6.1
NetR7_1: R7.1 U3.4 | length 236.8
  Bottom Layer w10: U3.4 4475.72,2814.28 4510.43,2779.57 R7.1
NetR8_2: R8.2 U3.7 | length 153
  Bottom Layer w10: R8.2 4374.57,2777.44 U3.7
NetR9_2: R9.2 U3.6 | length 209.6
  Bottom Layer w10: U3.6 4405.27,2773.18 4405.27,2746.93 4482.2,2670 4505,2670 4517.28,2657.72 R9.2
OSC0: C18.2 U2.40 X1.1 | length 338.8
  Top Layer w10: U2.40 3822.76,3645.67 3823.43,3645 3856.57,3645 3857.24,3645.67 3866.22,3645.67 3871.8,3640.09 3871.8,3636.35 3878.24,3629.91 3881.98,3629.91 C18.2 3904.02,3625.91 3935.5,3625.91 3962.99,3653.4 X1.1
OSC1: C19.2 U2.41 X1.3 | length 302.7
  Top Layer w10: U2.41@3708.98,3666.96 3761.96,3666.96 3890,3795 X1.3 3900,3832.4 C19.2
PWM1: ESC1.1 U2.28 | length 2067.8
  Top Layer w10: U2.28@3560,3436.02 3561.17,3434.86 3561.17,3410.32 3571.57,3399.91 3571.57,3333.14 3570,3331.57 3570,3255 3628.28,3196.72 3710,3196.72 3801.33,3105.38 3801.33,2861.33 3778.37,2838.37 3778.37,2837.2 3765.29,2824.13 3765.29,1695.29 ESC1.1
PWM2: ECSE2.1 U2.20 | length 2695.5
  Top Layer w8: v1(2995,2950) 3131.85,2950 3251,3069.15 3251,3166.15 3257.44,3172.6 3257.44,3221.62 3299,3263.18 3299,3438.42 3335.58,3475 3385.91,3475 3400.91,3460 U2.20
  Bottom Layer w8: ECSE2.1@1380,3120 1475,3215 2270,3215 2305,3180 2305,3010 2345.47,2969.53 2376.37,2969.53 2395.9,2950 v1@2985,2950
PWM3: ECSE3.1 U2.30 | length 2254
  Top Layer w10: v1(2545,3390) 2575,3360 v1(2750,3360) ; U2.30@3597.44,3436.02 3597.44,3383.61 3610,3371.05 v1(3610,3315)
  Bottom Layer w10: v1(2545,3390) 2545,3411.24 2738.51,3604.75 2738.51,3740.32 2650,3828.83 2650,3990 2675,4015 2720,4015 2735,4030 2735,4041.25 2740.53,4046.77 2740.53,4080.35 2735,4085.88 2735,4128.56 ECSE3.1 ; v1(2750,3360) 2981.78,3360 3028.43,3406.65 3061.57,3406.65 3079.91,3425 3170,3425 3245,3350 3492.57,3350 3502.57,3340 3529.76,3340 3539.76,3350 3570,3350 v1@3607.5,3312.5
RESET: C27.2 R3.2 U2.38 | length 542.2
  Top Layer w10: U2.38 3734.84,3606.3 3756.14,3585 3832.03,3585 3837.35,3579.68 3852.74,3579.68 3867.43,3565 3915,3565 C27.2 3944.4,3545 4075,3414.4 R3.2
SHIELD: C2.2 R1.2 USB1.5 USB1.6 | length 956
  Top Layer w8: USB1.6 USB1.5
  Top Layer w10: C2.2 3970,1875 4036.69,1808.31 USB1.6 ; USB1.5 4731.69,1808.31 R1.2
TCK: P1.2 R2.2 U2.52 | length 1090.8
  Top Layer w10: U2.52@3578.07,3879.65 3578.07,3938.07 3627.72,3987.72 R2.2 3667.72,4125 3860,4317.28 3860,4520 3905,4565 4030,4565 4070,4525 P1.2
TDI: P1.4 U2.50 | length 731
  Top Layer w10: U2.50 3617.44,3907.44 3820,4110 3820,4150 3970,4300 P1.4
TDO: P1.3 U2.49 | length 751.1
  Top Layer w10: U2.49 3650,3875 3870,4095 3870,4130 4020,4280 P1.3
TMS: P1.5 U2.51 | length 717.5
  Top Layer w10: U2.51@3600,3875 3600,3925 3770,4095 3770,4160 3920,4310 P1.5
"USB RX LED": D2.2 U3.5 | length 360.9
  Bottom Layer w8: U3.5 4476.11,2777.87 4662.28,2591.69 D2.2
"USB TX LED": D1.2 U3.11 | length 309.8
  Bottom Layer w10: D1.2 4199.02,2776.69 4287.8,2865.46 U3.11
USB_RX: R4.1 U2.17 U3.15 | length 1695.4
  Top Layer w10: v1(3290,3150) 3290,3200 3341.85,3251.85 U2.17 ; v1@3345,2935 v1(3715,2935)
  Bottom Layer w10: v1(3290,3150) 3335,3105 v1(3335,2945) ; v1@3720,2935 3790,2935 3890,3035 4060,3035 4090,3005 R4.1 4370.39,2972.47 4395.9,2946.96 4395.9,2932.16 U3.15
USB_TX: R5.1 U2.18 U3.2 | length 2004.4
  Top Layer w8: U2.18 3365,3432.56 v1(3365,3210) ; v1@3445,3095 3515,3025 v1(3710,3025)
  Bottom Layer w8: v1@3375,3200 3420,3155 3420,3110 v1(3445,3085) ; v1(3710,3025) 3720,3025 3805,3110 4460.78,3110 4475.78,3125 4585,3125 4655,3055 4655,2970 4620.49,2935.49 4600.12,2935.49 4553.11,2888.48 4552.75,2888.48 4546.89,2882.62 4546.89,2882.26 R5.1 4526.92,2862.28 4465.77,2862.28 U3.2
VBUS: C1.1 C3.2 L1.1 USB1.1 | length 444.8
  Top Layer w10: USB1.1 4400,2083.11 4363.11,2120 C3.2 L1.1 4432.44,2237.44 4466.1,2271.1 C1.1
VCORE: C24.2 C25.2 C26.2 U2.25 U2.56 | length 1904.7
  Top Layer w10: C25.2 2921.89,3255.55 C24.2 2908.19,3260 2852.73,3204.53 2852.73,3132.27 2900,3085 3029.43,3085 3110,3165.57 3110,3205 C26.2 3165,3220 3165,3185 v1(3155,3175) ; v1(3495,3305) 3466.17,3333.83 3466.17,3386.08 3480.5,3400.42 3486.65,3400.42 3499.33,3413.1 U2.25 U2.56
  Bottom Layer w10: v1(3155,3175) 3184.23,3204.23 3184.23,3279.73 3178.47,3285.5 3177.82,3285.5 3160.25,3303.07 3160.25,3327.93 3187.32,3355 3214.02,3355 3243.69,3325.33 3459.67,3325.33 v1@3480,3305
pads on no net: ECSE2.4 ECSE3.4 ESC1.4 HALL1.6 HALL2.6 Hall3.6 U2.1 U2.4 U2.5 U2.21 U2.23 U2.24 U2.33 U2.36 U2.45 U2.46 U2.47 U2.48 U3.12 U3.14

## Polygon pours and split planes (outlines as drawn)
+24V on Top Layer "Top Layer-+24V" (solid, pour order 44): 1263.31,2285 1263.31,3195 2153.31,3195 2593.31,3195 2630.12,3231.81 2630.12,4265 2868.31,4265 2868.31,3604.71 2643.31,3379.71 2643.31,2685 2098.31,2685 1853.31,2440 1853.31,2290 1268.31,2290
+5V on Top Layer "Top Layer-+5V" (solid, pour order 8): 1582.5,2260 1582.5,1398.78 4712.5,1398.78 5057.5,1743.78 5057.5,2260
+3.3V on Top Layer "Top Layer-+3.3V" (solid, pour order 46): 2849.92,3639.84 2849.92,3381.45 2909.92,3321.45 3327.28,3321.45 3482.28,3166.45 3749.92,3166.45 3844.92,3261.45 3853.07,3253.3 4114.92,3253.3 4114.92,3896.45 3934.61,4076.77 3674.92,4076.77 3674.92,4141.45 3629.92,4186.45 3439.92,4186.45 3439.92,4045.68 3457.66,4027.94 3369.25,3939.52 3248,3939.52 3179.92,3871.45 3179.92,3736.45 2946.54,3736.45
+5V on Top Layer "Top Layer-+5V 1" (solid, pour order 54): 4230,3975 4230,3300.67 4982.79,3300.67 5165,3482.88 5165,3971.69 4233.31,3971.69
+5V on Top Layer "Top Layer-+5V 2" (solid, pour order 14): 1489.09,4042.72 1489.09,3755 1726.81,3755 2029.09,3452.72 2554.09,3452.72 2554.09,3454.33 2636.22,3536.47 2213.41,4455.81 1489.09,4455.81
+A3.3V on Top Layer "Top Layer-+A3.3V" (solid, pour order 48): 3195.4,3789.67 3111.49,3820.41 3005,3859.43 3005,4058.95 3241.05,4295 3322.88,4295 3435,4182.89 3435,3934.14 3294.02,3934.14 3253.07,3893.19 3303.68,3842.58 3303.68,3757.57 3048.66,3757.57 3005,3801.23 3005,3859.43
GND on Bottom Layer "Bottom Layer-GND" (solid, pour order 52): 5193.96,4700.31 5193.96,1370.31 1223.96,1370.31 1223.96,4695.31 1218.96,4700.31
+5V on Bottom Layer "Bottom Layer-+5V" (solid, pour order 6): 2641.93,2645 2641.93,2520 3271.93,2520 3301.93,2550 3301.93,2640 2646.93,2640
+3.3V on Bottom Layer "Bottom Layer-+3.3V" (solid, pour order 4): 2237.09,2611.91 2523.84,2611.91 2630.74,2505 2765,2505 2765,2300 2740.05,2275.05 2028.75,2275.05 2025.19,2275 2025.19,2611.91
+3.3V on Bottom Layer "Bottom Layer-+3.3V 1" (solid, pour order 36): 3950,3105 3955,3100 3955,2525 4935,2525 4955,2545 4950,2550 4950,3110 3960,3110 3955,3105
no net on Bottom Layer "Bottom Layer-No Net" (solid, pour order 38): 4085,2655

## Text inside footprints (layer, text, board x,y; h text height)
C1: Top Overlay "+" at 4515.35,2401.54 h70
ECSE2: Top Overlay "5" at 1460,3215 h50 r270; Top Overlay "1" at 1360,3195 h50 r270; Top Overlay "4" at 1360,2755 h50 r270; Top Overlay "8" at 1460,2755 h50 r270
ECSE3: Top Overlay "8" at 2780,3803.56 h50 r270; Top Overlay "4" at 2680,3803.56 h50 r270; Top Overlay "1" at 2680,4243.56 h50 r270; Top Overlay "5" at 2780,4263.56 h50 r270
ESC1: Top Overlay "5" at 3750,1500 h50 r180; Top Overlay "1" at 3730,1600 h50 r180; Top Overlay "4" at 3290,1600 h50 r180; Top Overlay "8" at 3290,1500 h50 r180
HALL1: Top Overlay "2" at 2690,1705 h50; Top Overlay "1" at 2690,1605 h50; Top Overlay "5" at 3030,1605 h50; Top Overlay "6" at 3030,1705 h50
HALL2: Top Overlay "6" at 1555,3293.78 h50 r270; Top Overlay "5" at 1455,3293.78 h50 r270; Top Overlay "1" at 1455,3633.78 h50 r270; Top Overlay "2" at 1555,3633.78 h50 r270
Hall3: Top Overlay "6" at 3374.07,4365 h50 r180; Top Overlay "5" at 3374.07,4465 h50 r180; Top Overlay "1" at 3714.07,4465 h50 r180; Top Overlay "2" at 3714.07,4365 h50 r180
LineDriver1: Top Overlay "*" at 2529.5,1878 h50 r180; Mechanical 13 "*" at 2529.5,1878 h50 r180
LineDriver2: Top Overlay "*" at 2504.5,3493 h50 r180; Mechanical 13 "*" at 2504.5,3493 h50 r180
LineDriver3: Top Overlay "*" at 4297.21,3747 h50; Mechanical 13 "*" at 4297.21,3747 h50